# KiCad board PingDevKit-copy.kicad_pcb (continued)
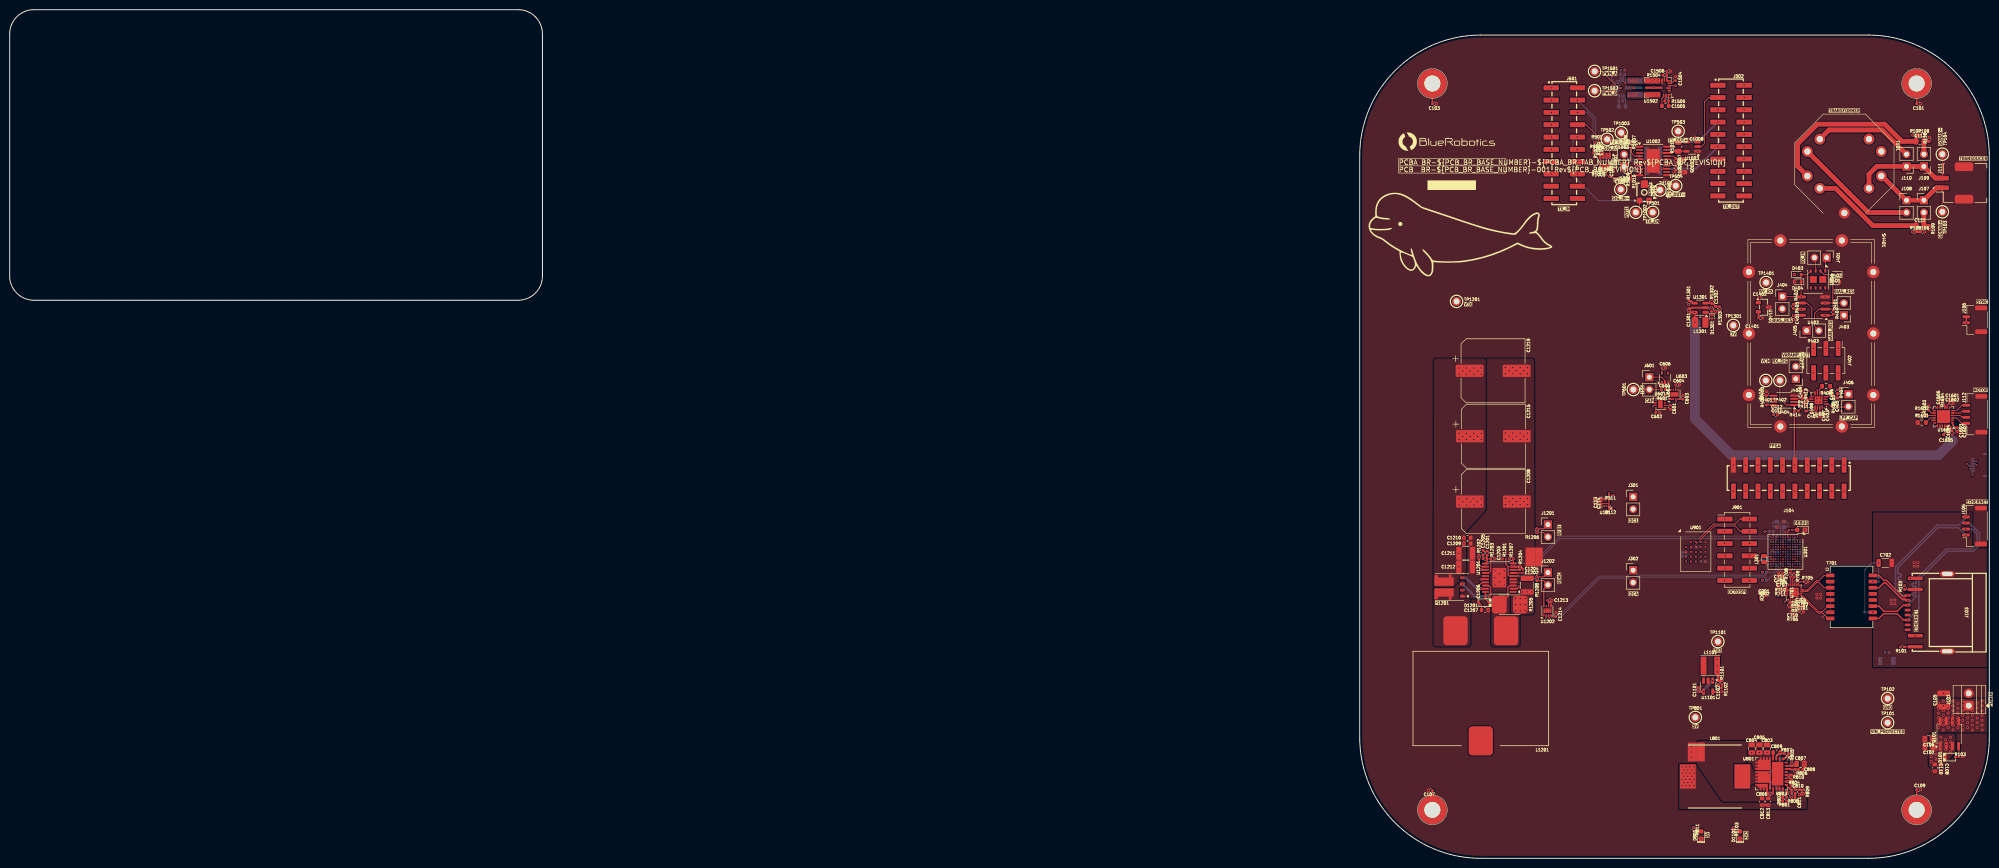
[diagram p0: board, top side]
## Placement (name value [footprint] x y rotation side) (continued)
TP320  TP_ROUND_TH_300um  [TP_ROUND_SMT_300um]  366.65 62.29 270 bottom
TP321  TP_ROUND_TH_300um  [TP_ROUND_SMT_300um]  366.65 63.29 270 bottom
TP322  TP_ROUND_TH_300um  [TP_ROUND_SMT_300um]  366.65 64.79 270 bottom
TP323  TP_ROUND_TH_300um  [TP_ROUND_SMT_300um]  366.65 65.79 270 bottom
TP324  TP_ROUND_TH_300um  [TP_ROUND_SMT_300um]  366.14 64.79 270 bottom
TP325  TP_ROUND_TH_300um  [TP_ROUND_SMT_300um]  365.65 63.79 90 bottom
TP326  TP_ROUND_TH_300um  [TP_ROUND_SMT_300um]  365.15 63.79 90 bottom
TP327  TP_ROUND_TH_300um  [TP_ROUND_SMT_300um]  366.15 63.29 270 bottom
TP328  TP_ROUND_TH_300um  [TP_ROUND_SMT_300um]  366.15 65.3 90 bottom
TP329  TP_ROUND_TH_300um  [TP_ROUND_SMT_300um]  369.15 64.29 90 bottom
TP330  TP_ROUND_TH_300um  [TP_ROUND_SMT_300um]  364.65 65.29 90 bottom
TP331  TP_ROUND_TH_300um  [TP_ROUND_SMT_300um]  365.15 64.79 270 bottom
TP332  TP_ROUND_TH_300um  [TP_ROUND_SMT_300um]  364.15 64.79 90 bottom
TP333  TP_ROUND_TH_300um  [TP_ROUND_SMT_300um]  365.65 64.29 270 bottom
TP334  TP_ROUND_TH_300um  [TP_ROUND_SMT_300um]  365.15 64.29 90 bottom
TP335  TP_ROUND_TH_300um  [TP_ROUND_SMT_300um]  367.15 60.29 90 bottom
TP336  TP_ROUND_TH_300um  [TP_ROUND_SMT_300um]  367.65 61.29 90 bottom
TP337  TP_ROUND_TH_300um  [TP_ROUND_SMT_300um]  368.14 60.79 90 bottom
TP338  TP_ROUND_TH_300um  [TP_ROUND_SMT_300um]  368.65 61.79 90 bottom
TP339  TP_ROUND_TH_300um  [TP_ROUND_SMT_300um]  363.65 63.79 270 bottom
TP340  TP_ROUND_TH_300um  [TP_ROUND_SMT_300um]  367.65 63.79 270 bottom
TP341  TP_ROUND_TH_300um  [TP_ROUND_SMT_300um]  367.15 64.29 270 bottom
TP342  TP_ROUND_TH_300um  [TP_ROUND_SMT_300um]  367.65 64.29 270 bottom
TP343  TP_ROUND_TH_300um  [TP_ROUND_SMT_300um]  365.15 62.29 90 bottom
TP344  TP_ROUND_TH_300um  [TP_ROUND_SMT_300um]  364.65 61.79 90 bottom
TP345  TP_ROUND_TH_300um  [TP_ROUND_SMT_300um]  365.15 61.29 90 bottom
TP346  TP_ROUND_TH_300um  [TP_ROUND_SMT_300um]  366.15 61.79 90 bottom
TP347  TP_ROUND_TH_300um  [TP_ROUND_SMT_300um]  365.65 65.79 90 bottom
TP348  TP_ROUND_TH_300um  [TP_ROUND_SMT_300um]  365.65 65.29 90 bottom
TP349  TP_ROUND_TH_300um  [TP_ROUND_SMT_300um]  364.65 64.29 90 bottom
TP350  TP_ROUND_TH_300um  [TP_ROUND_SMT_300um]  364.15 64.29 90 bottom
TP351  TP_ROUND_TH_300um  [TP_ROUND_SMT_300um]  367.15 60.79 90 bottom
TP352  TP_ROUND_TH_300um  [TP_ROUND_SMT_300um]  368.65 62.29 270 bottom
TP353  TP_ROUND_TH_300um  [TP_ROUND_SMT_300um]  369.15 62.29 270 bottom
TP354  TP_ROUND_TH_300um  [TP_ROUND_SMT_300um]  367.65 62.79 270 bottom
TP355  TP_ROUND_TH_300um  [TP_ROUND_SMT_300um]  368.65 62.79 270 bottom
TP356  TP_ROUND_TH_300um  [TP_ROUND_SMT_300um]  368.15 62.79 270 bottom
TP357  TP_ROUND_TH_300um  [TP_ROUND_SMT_300um]  366.15 61.29 270 bottom
TP358  TP_ROUND_TH_300um  [TP_ROUND_SMT_300um]  366.15 60.79 270 bottom
TP359  TP_ROUND_TH_300um  [TP_ROUND_SMT_300um]  368.65 65.29 270 bottom
TP360  TP_ROUND_TH_300um  [TP_ROUND_SMT_300um]  365.65 62.79 270 bottom
TP361  TP_ROUND_TH_300um  [TP_ROUND_SMT_300um]  363.65 62.79 270 bottom
TP362  TP_ROUND_TH_300um  [TP_ROUND_SMT_300um]  364.65 62.79 270 bottom
TP363  TP_ROUND_TH_300um  [TP_ROUND_SMT_300um]  364.15 62.79 270 bottom
TP364  TP_ROUND_TH_300um  [TP_ROUND_SMT_300um]  364.15 62.29 270 bottom
TP365  TP_ROUND_TH_300um  [TP_ROUND_SMT_300um]  366.15 64.3 90 bottom
TP401  VCM  [TEST-TH_BD2.54-P1.4_RED]  362.6 98.67 180 top
TP402  RX_SIG  [TEST-TH_BD2.54-P1.4_RED]  365.5 98.67 180 top
TP501  TX_EN  [TEST-TH_BD2.54-P1.4_RED]  339.25 133.39 0 top
TP502  TX_SIG_IN  [TEST-TH_BD2.54-P1.4_RED]  329.85 148.47 0 top
TP503  TX_OUT+  [TEST-TH_BD2.54-P1.4_RED]  344.5 150.14 0 top
TP504  TX_OUT-  [TEST-TH_BD2.54-P1.4_RED]  344 138.89 0 top
TP601  TGC  [TEST-TH_BD2.54-P1.4_RED]  335.25 96.8 90 top
TP801  5V  [TEST-TH_BD2.54-P1.4_RED]  348.05 29.1 0 top
TP1001  POT2  [TEST-TH_BD2.54-P1.4_RED]  340.75 138 270 top
TP1002  POT1  [TEST-TH_BD2.54-P1.4_RED]  335.75 133.39 270 top
TP1003  SIG_IN+  [TEST-TH_BD2.54-P1.4_RED]  332.75 149.84 0 top
TP1004  SIG_IN-  [TEST-TH_BD2.54-P1.4_RED]  332.65 138.14 0 top
TP1101  3V3  [TEST-TH_BD2.54-P1.4_RED]  352.7 44.75 0 top
TP1201  VTX  [TEST-TH_BD2.54-P1.4_RED]  298.75 115 0 top
TP1301  7V  [TEST-TH_BD2.54-P1.4_RED]  355.9 110.05 0 top
TP1401  5V_RX  [TEST-TH_BD2.54-P1.4_RED]  362.65 118.9 0 top
TP1501  PWM_A  [TEST-TH_BD2.54-P1.4_RED]  327.25 162.5 0 top
TP1502  PWM_B  [TEST-TH_BD2.54-P1.4_RED]  327.25 158.5 0 top
U101  LIS2DH12TR  [LGA-12_2x2mm_P1mm]  329.45 73.48 180 top
U301  STM32H563AII3Q  [UFBGA-169_7x7mm_Layout13x13_P0.5mm-minimized]  366.65 63.29 270 top
U401  MD0100DK6-G  [DFN-8-1EP_4x4mm_P1.0mm_EP1.45x3.4mm]  373.38 119.54 270 top
U402  OPA1612AIDR  [SOIC-8_3.9x4.9mm_P1.27mm]  372.38 114.04 180 top
U403  AD8338ACPZ-R7  [LFCSP-16-1EP_3x3mm_P0.5mm_EP1.6x1.6mm]  373.5 94.57 180 top
U404  WS72552M-8/TR  [MSOP-8_3x3mm_P0.65mm]  366.34 94.57 180 top
U601  DAC53401DSGR  [WSON-8-1EP_2x2mm_P0.5mm_EP0.9x1.6mm]  340.84 93.79 0 top
U602  DAC53401DSGR  [WSON-8-1EP_2x2mm_P0.5mm_EP0.9x1.6mm]  343.75 95.79 90 top
U603  74LVC1G66GW,125  [SOT-353_SC-70-5]  341.8 99.24 90 top
U701  DP83825IRMQR  [WQFN-24-3x3x0.8mm-DRV8311]  368.45 54.89 90 top
U801  MIC28517T-E/PHA  [QFN-32_x6mm_P0.65mm]  363.79 17.49 270 top
U901  S27KL0642DPBHB023  [BGA-24_6x8mm_Layout5x5_P1.0mm]  348.15 63.29 0 top
U1001  SL9062D  [SOT-23-8]  329.38 143.93 270 top
U1002  LT1794  [TSSOP-20_FE_6.4x6.4mm_EP4.95x2.74mm]  339.33 144.02 0 top
U1003  CSA230PASOT235  [SOT-23-5_mini]  347.38 146.97 180 top
U1101  TLV62569DBVR  [SOT-23-5_mini]  350.7 35.54 270 top
U1201  LM5122MHX/NOPB  [HTSSOP-20-1EP_4.4x6.5mm_P0.65mm_EP2.85x4mm]  307.59 57.95 180 top
U1202  DAC53401DSGR  [WSON-8-1EP_2x2mm_P0.5mm_EP0.9x1.6mm]  317.51 51.12 90 top
U1301  LM27313XMFX/NOPB  [SOT-23-5]  349.04 113.7 180 top
U1401  MG78L05T3  [SOT-23]  362.15 113.8 270 top
U1501  EPC23104ENGRT  [EPC23104]  334.47 159.12 0 bottom
U1502  EPC23104ENGRT  [EPC23104]  340.33 159.12 180 top
U1601  DRV8426RGER  [VQFN-24-1EP_4x4mm_P0.5mm_EP2.6x2.6mm-minimized]  399.3 91.2 180 top
X301  25MHz 8pF  [Crystal_SMD_2016-4Pin_2.0x1.6mm]  365.62 68.95 180 bottom

## Library data of the parts
C101 C103 C107 C109 C407 C412 C601 C604 C606 C902-C904 C1213 C1503 C1504 = -: Datasheet: https://search.murata.co.jp/Ceramy/image/img/A01X/G101/ENG/GCM155R71H104KE02-01.pdf; Description: 100nF 50V X7R 10% Ceramic Capacitor 0402 AEC-Q200; Manufacturer: Murata Electronics; Manufacturer Part Num: GCM155R71H104KE02D; BRE Number: BRE-000010; Supplier 1: DigiKey; Supplier Part Num 1: 490-10672-2-ND; Supplier 2: Mouser; Supplier Part Num 2: 81-GCM155R71H104KE2D; Supplier 3: JLCPCB; Supplier Part Num 3: C85858; JLCPCB Part Num: C85858; ki_fp_filters: C_*
C102 C106 C803-C805 = -: Datasheet: https://search.murata.co.jp/Ceramy/image/img/A01X/G101/ENG/GRM21BD72A225KE01-01A.pdf; Description: 2.2uF 100V X7T 10% Ceramic Capacitor 0805; Manufacturer: Murata Electronics; Manufacturer Part Num: GRM21BD72A225KE01L; BRE Number: BRE-001204; Supplier 1: DigiKey; Supplier Part Num 1: 490-GRM21BD72A225KE01LCT-ND; Supplier 2: Mouser; Supplier Part Num 2: 81-GRM21BD72A225KE1L; Supplier 3: JLCPCB; Supplier Part Num 3: C2981733; JLCPCB Part Num: C2981733
C104 C113 C201 C304 C306 C309 C311 C312 C314 C315 C317-C325 C1204 = -: Datasheet: https://www.lcsc.com/datasheet/lcsc_datasheet_2108070630_Murata-Electronics-GRM033R61E104KE14J_C2649540.pdf; Description: 100nF 25V X7R 10% Ceramic Capacitor 0201; Manufacturer: Murata Electronics; Manufacturer Part Num: GRM033R61E104KE14J; Supplier 1: DigiKey; Supplier Part Num 1: 490-14571-1-ND; Supplier 2: Mouser; Supplier Part Num 2: 81-GRM033R61E104KE4J; Supplier 3: JLCPCB; Supplier Part Num 3: C2649540; BRE Number: BRE-000000; ki_fp_filters: C_*
C105 C1202 = -: Datasheet: https://search.murata.co.jp/Ceramy/image/img/A01X/G101/ENG/GRM32EC72A106KE05-01.pdf; Description: 10uF 100V X7S 10% Ceramic Capacitor 1210; Manufacturer: Murata Electronics; Manufacturer Part Num: GRM32EC72A106KE05L; Supplier 1: DigiKey; Supplier Part Num 1: 490-16266-1-ND; Supplier 2: Mouser; Supplier Part Num 2: 81-GRM32EC72A106KE05; Supplier 3: JLCPCB; Supplier Part Num 3: C576517; BRE Number: BRE-000064; ki_fp_filters: C_*
C108 C110 = -: Datasheet: https://mm.digikey.com/Volume0/opasdata/d220001/medias/docus/2270/HMK107C7224KAHTE_SS.pdf; Description: 220nF 100V X7S 10% Ceramic Capacitor 0603; Manufacturer: Taiyo Yuden; Manufacturer Part Num: HMK107C7224KAHTE; BRE Number: BRE-001203; Package: 0603; Supplier 1: JLCPCB; Supplier Part Num 1: C2169715; JLCPCB Part Num: C2169715
C111 C112 = -: Datasheet: https://www.lcsc.com/datasheet/lcsc_datasheet_2006091815_YAGEO-CC0805KKX7R0BB474_C596323.pdf; Description: 470nF 100V X7R 10% Ceramic Capacitor 0805; Manufacturer: YAGEO; Manufacturer Part Num: CC0805KKX7R0BB474; BRE Number: BRE-000054; Supplier 1: DigiKey; Supplier Part Num 1: 13-CC0805KKX7R0BB474CT-ND; Supplier 2: Mouser; Supplier Part Num 2: 603-CC0805KX7R0BB474; Supplier 3: JLCPCB; Supplier Part Num 3: C596323; JLCPCB Part Num: C596323; ki_fp_filters: C_*
C114 = -: Datasheet: https://search.murata.co.jp/Ceramy/image/img/A01X/G101/ENG/GRM155R61H105KE05-01A.pdf; Description: 1uF 50V X5R 5% Ceramic Capacitor 0402; Manufacturer: Murata Electronics; Manufacturer Part Num: GRM155R61H105KE05D; Supplier 1: DigiKey; Supplier Part Num 1: 490-GRM155R61H105KE05DCT-ND; Supplier 2: Mouser; Supplier Part Num 2: 81-GRM155R61H105KE5D; Supplier 3: JLCPCB; Supplier Part Num 3: C1518208; BRE Number: BRE-000020; ki_fp_filters: C_*
C301 = -: Datasheet: https://mm.digikey.com/Volume0/opasdata/d220001/medias/docus/2614/CL05A106MP5NUNC_Spec.pdf; Description: 10uF 10V X5R 20% Ceramic Capacitor 0402; Manufacturer: Samsung Electro-Mechanics; Manufacturer Part Num: CL05A106MP5NUNC; BRE Number: BRE-000015; Supplier 1: DigiKey; Supplier 2: Mouser; Supplier 3: JLCPCB; Supplier Part Num 1: 1276-1450-6-ND; Supplier Part Num 2: 187-CL05A106MP5NUNC; Supplier Part Num 3: C315248; ki_fp_filters: C_*
C302 C307 = -: Datasheet: https://search.murata.co.jp/Ceramy/image/img/A01X/G101/ENG/GRM0335C1H6R0BA01-01.pdf; Description: 6pF 50V C0G 15% Ceramic Capacitor 0201; Manufacturer: Murata Electronics; Manufacturer Part Num: GRM0335C1H6R0BA01D; Supplier 1: DigiKey; Supplier Part Num 1: 490-11339-1-ND; Supplier 2: Mouser; Supplier Part Num 2: 81-GRM0335C1H6R0BA1D; Supplier 3: JLCPCB; Supplier Part Num 3: C161434; BRE Number: BRE-000009; ki_fp_filters: C_*
C303 C313 = -: Datasheet: https://mm.digikey.com/Volume0/opasdata/d220001/medias/docus/2614/CL05A106MP5NUNC_Spec.pdf; Description: 10uF 10V X5R 20% Ceramic Capacitor 0402; Manufacturer: Samsung Electro-Mechanics; Manufacturer Part Num: CL05A106MP5NUNC; Supplier 1: DigiKey; Supplier Part Num 1: 1276-1450-6-ND; Supplier 2: Mouser; Supplier Part Num 2: 187-CL05A106MP5NUNC; Supplier 3: JLCPCB; Supplier Part Num 3: C315248; BRE Number: BRE-000015; ki_fp_filters: C_*
C305 C308 C310 = -: Datasheet: https://www.murata.com/en-us/api/pdfdownloadapi?cate=luCeramicCapacitorsSMD&partno=GRM035R60J475ME15%23; Description: 4.7uF 6.3V X5R 20% Ceramic Capacitor 0201; Manufacturer: Murata Electronics; Manufacturer Part Num: GRM035R60J475ME15D; BRE Number: BRE-001205; Supplier 1: DigiKey; Supplier Part Num 1: 490-13230-1-ND; Supplier 2: Mouser; Supplier Part Num 2: 81-GRM035R60J475ME5D; Supplier 3: JLCPCB; Supplier Part Num 3: C335103; ki_fp_filters: C_*
C316 = -: Datasheet: https://wmsc.lcsc.com/wmsc/upload/file/pdf/v2/lcsc/1811081531_Murata-Electronics-GRM0335C1E101JA01D_C76917.pdf; Description: 100pF 50V C0G 5% Ceramic Capacitor 0201; Manufacturer: Murata; Manufacturer Part Num: GRM0335C1E101JA01D; BRE Number: BRE-001077; Supplier 1: JLCPCB; Supplier Part Num 1: C161418; ki_fp_filters: C_*
C401 C810 C1003 C1004 C1006 C1007 = -: Datasheet: https://www.lcsc.com/datasheet/lcsc_datasheet_2410010301_Murata-Electronics-GRM155R62A104ME14D_C162179.pdf; Description: 100nF 100V X5R 20% Ceramic Capacitor 0402; Manufacturer: Murata; Manufacturer Part Num: GRM155R62A104ME14D; BRE Number: BRE-001025; JLCPCB Part Num: C162178; ki_fp_filters: C_*
C402 = -: Datasheet: https://jlcpcb.com/api/file/downloadByFileSystemAccessId/8588946632188022784; Description: 200pF 50V C0G 5% Ceramic Capacitor 0402; Manufacturer: YAGEO; Manufacturer Part Num: CC0402JRNPO9BN201; BRE Number: BRE-001222; JLCPCB Part Num: C325462; ki_fp_filters: C_*
C403 C411 C703 C709 C710 C901 C1501 C1506 C1606 = -: Datasheet: https://search.murata.co.jp/Ceramy/image/img/A01X/G101/ENG/GRM155Z71A105KE01-01.pdf; Description: 1uF 10V X7R 10% Ceramic Capacitor 0402; Manufacturer: Murata Electronics; Manufacturer Part Num: GRM155Z71A105KE01D; BRE Number: BRE-000019; Supplier 1: DigiKey; Supplier Part Num 1: 490-GRM155Z71A105KE01DDKR-ND; Supplier 2: Mouser; Supplier Part Num 2: 81-GRM155Z71A105KE1D; Supplier 3: JLCPCB; Supplier Part Num 3: C528974; JLCPCB Part Num: C528974; ki_fp_filters: C_*
C404 = -: Datasheet: https://www.lcsc.com/datasheet/lcsc_datasheet_1811081613_Murata-Electronics-GRM155R71H223KA12D_C77023.pdf; Description: 47nF 50V X7R 10% Ceramic Capacitor 0402; Manufacturer: Murata Electronics; Manufacturer Part Num: GRM155R71H473KE14D; BRE Number: BRE-000030; Supplier 1: DigiKey; Supplier Part Num 1: 490-10702-6-ND; Supplier 2: Mouser; Supplier Part Num 2: 81-GRM155R71H473KE4D; Supplier 3: JLCPCB; Supplier Part Num 3: C117757; JLCPCB Part Num: C117757; ki_fp_filters: C_*
C405 C406 = -: Datasheet: https://jlcpcb.com/api/file/downloadByFileSystemAccessId/8588898990716411904; Description: 15nF 50V X7R 10% Ceramic Capacitor 0402; Manufacturer: YAGEO; Manufacturer Part Num: CC0402KRX7R9BB153; BRE Number: BRE-001221; Supplier 1: DigiKey; Supplier Part Num 1: 490-GRM155Z71A105KE01DDKR-ND; ki_fp_filters: C_*
C408 C409 = -: Datasheet: https://www.lcsc.com/datasheet/lcsc_datasheet_2304140030_YAGEO-CC0402BRNPO9BN3R9_C505474.pdf; Description: 3.9pF 50V C0G 3% Ceramic Capacitor 0402; Manufacturer: YAGEO; Manufacturer Part Num: CC0402BRNPO9BN3R9; BRE Number: BRE-000027; Supplier 1: DigiKey; Supplier Part Num 1: 311-1622-1-ND; Supplier 2: Mouser; Supplier Part Num 2: 603-CC402BRNPO9BN3R9; Supplier 3: JLCPCB; Supplier Part Num 3: C505474; JLCPCB Part Num: C505474; ki_fp_filters: C_*
C410 = -: Datasheet: https://www.mouser.com/datasheet/2/281/1/GRM033R61C105ME15_01A-1981906.pdf; Description: 1uF 16V X5R 10% Ceramic Capacitor 0201; Manufacturer: Murata Electronics; Manufacturer Part Num: GRM033R61C105ME15D; BRE Number: BRE-000003; Supplier 1: DigiKey; Supplier Part Num 1: 490-18654-1-ND; Supplier 2: Mouser; Supplier Part Num 2: 81-GRM033R61C105ME5D; Supplier 3: JLCPCB; Supplier Part Num 3: C335102; JLCPCB Part Num: C335102; ki_fp_filters: C_*
C602 C603 C806 C1214 = -: Datasheet: https://search.murata.co.jp/Ceramy/image/img/A01X/G101/ENG/GRM155D71A475ME15-01A.pdf; Description: 4.7uF 10V X7T 20% Ceramic Capacitor 0402; Manufacturer: Murata Electronics; Manufacturer Part Num: GRM155D71A475ME15J; BRE Number: BRE-000033; Supplier 1: DigiKey; Supplier Part Num 1: 490-GRM155D71A475ME15JTR-ND; Supplier 2: Mouser; Supplier Part Num 2: 81-GRM155D71A475ME5J; Supplier 3: JLCPCB; Supplier Part Num 3: C20044523; JLCPCB Part Num: C20044523; ki_fp_filters: C_*
C605 C1401 = -: Datasheet: https://lcsc.com/datasheet/lcsc_datasheet_2411220213_FH--Guangdong-Fenghua-Advanced-Tech-0402B334K160NT_C301942.pdf; Description: 330nF 16V X7R 10% Ceramic Capacitor 0402; Manufacturer: FH; Manufacturer Part Num: 0402B334K160NT; BRE Number: BRE-001238; JLCPCB Part Num: C301942; ki_fp_filters: C_*
C701 C711 C1303 = -: Datasheet: https://mm.digikey.com/Volume0/opasdata/d220001/medias/docus/2614/CL05A106MP5NUNC_Spec.pdf; Description: 10uF 10V X5R 20% Ceramic Capacitor 0402; Manufacturer: Samsung Electro-Mechanics; Manufacturer Part Num: CL05A106MP5NUNC; BRE Number: BRE-000015; Supplier 1: DigiKey; Supplier 2: Mouser; Supplier 3: JLCPCB; Supplier Part Num 1: 1276-1450-6-ND; Supplier Part Num 2: 187-CL05A106MP5NUNC; Supplier Part Num 3: C315248; JLCPCB Part Num: C315248; ki_fp_filters: C_*
C702 C712 = -: Datasheet: https://www.lcsc.com/datasheet/lcsc_datasheet_2304140030_YAGEO-CC1206KKX7RDBB102_C23631.pdf; Description: 1nF 2kV X7R 10% Ceramic Capacitor 1206; Manufacturer: YAGEO; Manufacturer Part Num: CC1206KKX7RDBB102; BRE Number: BRE-000060; Supplier 1: DigiKey; Supplier Part Num 1: 311-1487-1-ND; Supplier 2: Mouser; Supplier Part Num 2: 603-CC206KKX7RDBB102; Supplier 3: JLCPCB; Supplier Part Num 3: C23631; JLCPCB Part Num: C23631; ki_fp_filters: C_*
C704 C707 C708 C1001 C1002 C1008 C1402 = -: Datasheet: https://www.lcsc.com/datasheet/lcsc_datasheet_2108070630_Murata-Electronics-GRM033R61E104KE14J_C2649540.pdf; Description: 100nF 25V X5R 10% Ceramic Capacitor 0201; Manufacturer: Murata Electronics; Manufacturer Part Num: GRM033R61E104KE14J; BRE Number: BRE-000000; Supplier 1: DigiKey; Supplier Part Num 1: 490-14571-1-ND; Supplier 2: Mouser; Supplier Part Num 2: 81-GRM033R61E104KE4J; Supplier 3: JLCPCB; Supplier Part Num 3: C2649540; JLCPCB Part Num: C76939; ki_fp_filters: C_*
C705 C706 = -: Datasheet: https://search.murata.co.jp/Ceramy/image/img/A01X/G101/ENG/GRM033R71E103KE14-01.pdf; Description: 10nF 25V X7R 10% Ceramic Capacitor 0201; Manufacturer: Murata Electronics; Manufacturer Part Num: GRM033R71E103KE14D; BRE Number: BRE-000001; Supplier 1: DigiKey; Supplier Part Num 1: 490-14454-2-ND; Supplier 2: Mouser; Supplier Part Num 2: 81-GRM0335C1E12FA1D; Supplier 3: JLCPCB; Supplier Part Num 3: C85930; JLCPCB Part Num: C85930; ki_fp_filters: C_*
C807 = -: Datasheet: https://search.murata.co.jp/Ceramy/image/img/A01X/G101/ENG/GRM21BC72A105KE01-01.pdf; Description: 1uF 100V X7S 10% Ceramic Capacitor 0805; Manufacturer: Murata Electronics; Manufacturer Part Num: GRM21BC72A105KE01L; BRE Number: BRE-000049; Supplier 1: DigiKey; Supplier Part Num 1: 490-14464-1-ND; Supplier 2: Mouser; Supplier Part Num 2: 81-GRM21BC72A105KE1L; Supplier 3: JLCPCB; Supplier Part Num 3: C385039; JLCPCB Part Num: C385039
C808 C1301 C1601 C1607 = -: Datasheet: https://search.murata.co.jp/Ceramy/image/img/A01X/G101/ENG/GRM155Z71A225KE01-01.pdf; Description: 2.2uF 10V X7R 10% Ceramic Capacitor 0402; Manufacturer: Murata Electronics; Manufacturer Part Num: GRM155Z71A225KE01D; BRE Number: BRE-000024; Supplier 1: DigiKey; Supplier Part Num 1: 490-GRM155Z71A225KE01DCT-ND; Supplier 2: Mouser; Supplier Part Num 2: 81-GRM155Z71A225KE1D; Supplier 3: JLCPCB; Supplier Part Num 3: C2997286; JLCPCB Part Num: C2997286; ki_fp_filters: C_*
C809 C1502 C1505 = -: Datasheet: https://www.murata.com/-/media/webrenewal/support/library/catalog/products/k35e.ashx?la=en-us&cvid=20200508021757000000; Description: 100nF 100V X7R 10% Ceramic Capacitor 0603 AEC-Q200; Manufacturer: Murata Electronics; Manufacturer Part Num: GCJ188R72A104KA01D; BRE Number: BRE-000034; Supplier 1: DigiKey; Supplier Part Num 1: 490-13420-1-ND; Supplier 2: Mouser; Supplier Part Num 2: 81-GCJ188R72A104KA1D; Supplier 3: JLCPCB; Supplier Part Num 3: C161117; JLCPCB Part Num: C161117
C811 = -: Datasheet: https://www.lcsc.com/datasheet/lcsc_datasheet_2304140030_Murata-Electronics-GRM155R72A472KA01D_C415704.pdf; Description: 4.7nF 100V X7R 10% Ceramic Capacitor 0402; Manufacturer: Murata Electronics; Manufacturer Part Num: GRM155R72A472KA01D; BRE Number: BRE-000032; Supplier 1: DigiKey; Supplier Part Num 1: 490-3885-1-ND; Supplier 2: Mouser; Supplier Part Num 2: 81-GRM155R72A472KA01; Supplier 3: JLCPCB; Supplier Part Num 3: C415704; JLCPCB Part Num: C415704; ki_fp_filters: C_*
C812 C813 = -: Datasheet: https://search.murata.co.jp/Ceramy/image/img/A01X/G101/ENG/GRM188D71A106KA73-01.pdf; Description: 10uF 10V X7T 10% Ceramic Capacitor 0603; Manufacturer: Murata Electronics; Manufacturer Part Num: GRM188D71A106KA73D; BRE Number: BRE-000035; Supplier 1: DigiKey; Supplier Part Num 1: 490-14461-1-ND; Supplier 2: Mouser; Supplier Part Num 2: 81-GRM188D71A106KA3D; Supplier 3: JLCPCB; Supplier Part Num 3: C385037; JLCPCB Part Num: C385037; ki_fp_filters: C_*
C1005 = -: Datasheet: https://www.lcsc.com/datasheet/lcsc_datasheet_2410121857_Murata-Electronics-GRM31CC72A475KE11L_C237304.pdf; Description: 4.7uF 100V X7S 10% Ceramic Capacitor 1206; Manufacturer: Murata; Manufacturer Part Num: GRM31CC72A475KE11L; BRE Number: BRE-001089; JLCPCB Part Num: C237304; ki_fp_filters: C_*
C1101 C1102 = -: Datasheet: https://mm.digikey.com/Volume0/opasdata/d220001/medias/docus/2614/CL05A106MP5NUNC_Spec.pdf; Description: 10uF 10V X5R 20% Ceramic Capacitor 0402; Manufacturer: Samsung Electro-Mechanics; Manufacturer Part Num: CL05A106MP5NUNC; Supplier 1: DigiKey; Supplier 2: Mouser; Supplier 3: JLCPCB; Supplier Part Num 1: 1276-1450-6-ND; Supplier Part Num 2: 187-CL05A106MP5NUNC; Supplier Part Num 3: C315248; BRE Number: BRE-000015; ki_fp_filters: C_*
C1201 = -: Datasheet: https://www.yageo.com/upload/media/product/productsearch/datasheet/mlcc/UPY-GPHC_X7R_6.3V-to-250V_23.pdf; Description: 10nF 50V X7R 10% Ceramic Capacitor 0402; Manufacturer: YAGEO; Manufacturer Part Num: CC0402KRX7R9BB103; Supplier 1: DigiKey; Supplier Part Num 1: 311-1349-1-ND; Supplier 2: Mouser; Supplier Part Num 2: 603-CC402KRX7R9BB103; Supplier 3: JLCPCB; Supplier Part Num 3: C60133; BRE Number: BRE-000013; ki_fp_filters: C_*
C1203 = -: Datasheet: https://www.lcsc.com/datasheet/lcsc_datasheet_2407101354_Murata-Electronics-GRM155R71C474KE01D_C471404.pdf; Description: 470nF 16V X7R 10% Ceramic Capacitor 0402; Manufacturer: Murata Electronics; Manufacturer Part Num: GRM155R71C474KE01D; Supplier 1: DigiKey; Supplier 2: Mouser; Supplier 3: JLCPCB; Supplier Part Num 3: C471404; BRE Number: BRE-000028
C1205 = -: Datasheet: https://www.lcsc.com/datasheet/lcsc_datasheet_1811081613_Murata-Electronics-GRM155R71H223KA12D_C77023.pdf; Description: 22nF 50V X7R 10% Ceramic Capacitor 0402; Manufacturer: Murata Electronics; Manufacturer Part Num: GRM155R71H223KA12D; Supplier 1: DigiKey; Supplier Part Num 1: 490-3884-1-ND; Supplier 2: Mouser; Supplier Part Num 2: 81-GRM155R71H223KA12; Supplier 3: JLCPCB; Supplier Part Num 3: C77023; BRE Number: BRE-000022
C1206 = -: Datasheet: https://search.murata.co.jp/Ceramy/image/img/A01X/G101/ENG/GRM155R61H105KE05-01A.pdf; Description: 1uF 50V X5R 10% Ceramic Capacitor 0402; Manufacturer: Murata Electronics; Manufacturer Part Num: GRM155R61H105KE05D; Supplier 1: DigiKey; Supplier Part Num 1: 490-GRM155R61H105KE05DCT-ND; Supplier 2: Mouser; Supplier Part Num 2: 81-GRM155R61H105KE5D; Supplier 3: JLCPCB; Supplier Part Num 3: C1518208; BRE Number: BRE-000020; JLCPCB Part Num: C1518208; ki_fp_filters: C_*
C1207 = -: Datasheet: https://search.murata.co.jp/Ceramy/image/img/A01X/G101/ENG/GRT188R61C106KE13-01.pdf; Description: 10uF 16V X5R 10% Ceramic Capacitor 0603 AEC-Q200; Manufacturer: Murata Electronics; Manufacturer Part Num: GRT188R61C106KE13J; Supplier 1: DigiKey; Supplier Part Num 1: 490-GRT188R61C106KE13JCT-ND; Supplier 2: Mouser; Supplier Part Num 2: 81-GRT188R61C106KE3J; Supplier 3: JLCPCB; Supplier Part Num 3: C3888097; BRE Number: BRE-000036
C1208 C1215-C1219 = -: Datasheet: https://mm.digikey.com/Volume0/opasdata/d220001/medias/docus/6020/VMML1652A221MV.pdf; Description: 220uF 100V 20% Electrolytic Capacitor SMD; Manufacturer: Ymin; Manufacturer Part Num: VMML1652A221MV; BRE Number: BRE-001283; Supplier 1: DigiKey; Supplier Part Num 1: 5011-VMML1652A221MVCT-ND; Supplier 2: Mouser; Supplier 3: JLCPCB; Supplier Part Num 3: C487184; JLCPCB Part Num: C487184; ki_fp_filters: C_*
C1209 C1210 = -: Datasheet: https://www.murata.com/-/media/webrenewal/support/library/catalog/products/k35e.ashx?la=en-us&cvid=20200508021757000000; Description: 100nF 100V X7R 10% Ceramic Capacitor 0603 AEC-Q200; Manufacturer: Murata Electronics; Manufacturer Part Num: GCJ188R72A104KA01D; Supplier 1: DigiKey; Supplier Part Num 1: 490-13420-1-ND; Supplier 2: Mouser; Supplier Part Num 2: 81-GCJ188R72A104KA1D; Supplier 3: JLCPCB; Supplier Part Num 3: C161117; BRE Number: BRE-000034; JLCPCB Part Num: C161117
C1211 C1212 = -: Datasheet: https://search.murata.co.jp/Ceramy/image/img/A01X/G101/ENG/GRM32EC72A106KE05-01.pdf; Description: 10uF 100V X7S 10% Ceramic Capacitor 1210; Manufacturer: Murata Electronics; Manufacturer Part Num: GRM32EC72A106KE05L; Supplier 1: DigiKey; Supplier Part Num 1: 490-16266-1-ND; Supplier 2: Mouser; Supplier Part Num 2: 81-GRM32EC72A106KE05; Supplier 3: JLCPCB; Supplier Part Num 3: C576517; BRE Number: BRE-000064; JLCPCB Part Num: C576517; ki_fp_filters: C_*
C1302 = -: Datasheet: https://lcsc.com/datasheet/lcsc_datasheet_2506131730_YAGEO-CC0402JRNPO9BN331_C107006.pdf; Description: 330pF 50V C0G 5%Ceramic Capacitor 0402; Manufacturer: YAGEO; Manufacturer Part Num: CC0402JRNPO9BN331; BRE Number: BRE-001236; JLCPCB Part Num: C107006; ki_fp_filters: C_*
C1602 C1603 = -: Datasheet: https://www.yageo.com/upload/media/product/productsearch/datasheet/mlcc/UPY-GPHC_X7R_6.3V-to-250V_23.pdf; Description: 10nF 50V X7R 10% Ceramic Capacitor 0402; Manufacturer: YAGEO; Manufacturer Part Num: CC0402KRX7R9BB103; BRE Number: BRE-000013; Supplier 1: DigiKey; Supplier Part Num 1: 311-1349-1-ND; Supplier 2: Mouser; Supplier Part Num 2: 603-CC402KRX7R9BB103; Supplier 3: JLCPCB; Supplier Part Num 3: C60133; JLCPCB Part Num: C60133; ki_fp_filters: C_*
C1604 = -: Datasheet: https://wmsc.lcsc.com/wmsc/upload/file/pdf/v2/lcsc/2304140030_CCTC-TCC0402X7R224K250AT_C915854.pdf; Description: 220nF 25V X7R 10% Ceramic Capacitor 0402; Manufacturer: CCTC; Manufacturer Part Num: TCC0402X7R224K250AT; BRE Number: BRE-001037; JLCPCB Part Num: C915854; ki_fp_filters: C_*
C1605 = -: Datasheet: https://www.lcsc.com/datasheet/lcsc_datasheet_1811081613_Murata-Electronics-GRM155R71H223KA12D_C77023.pdf; Description: 22nF 50V X7R 10% Ceramic Capacitor 0402; Manufacturer: Murata Electronics; Manufacturer Part Num: GRM155R71H223KA12D; BRE Number: BRE-000022; Supplier 1: DigiKey; Supplier Part Num 1: 490-3884-1-ND; Supplier 2: Mouser; Supplier Part Num 2: 81-GRM155R71H223KA12; Supplier 3: JLCPCB; Supplier Part Num 3: C77023; JLCPCB Part Num: C77023
D101 = -: Datasheet: https://mm.digikey.com/Volume0/opasdata/d220001/medias/docus/9/MM3ZyyyT1G_SZMM3ZyyyT1G_Series_rev.11_Sep2014.pdf; Description: Zener Diode 10V Reverse 300 mW SOD-323; Manufacturer: onsemi; Manufacturer Part Num: MM3Z10VT1G; Supplier 1: DigiKey; Supplier Part Num 1: MM3Z10VT1GOSCT-ND; Supplier 2: Mouser; Supplier Part Num 2: 863-MM3Z10VT1G; Supplier 3: JLCPCB; Supplier Part Num 3: C894520; BRE Number: BRE-000131; ki_fp_filters: TO-???* *_Diode_* *SingleDiode* D_*
D301 = -: Datasheet: https://datasheet.lcsc.com/lcsc/1811092313_Orient-ORH-G36G_C205443.pdf; Description: Green 525nm LED Indicator 2.8V 30mA max SMT 0603; Manufacturer: Orient; Manufacturer Part Num: ORH-G36G; Supplier 3: JLCPCB; Supplier Part Num 3: C205443; BRE Number: BRE-000251
D401-D404 = -: Datasheet: https://www.onsemi.com/pdf/datasheet/rb520s30t1-d.pdf; Description: Schottky Diode 30V 200mA SOD-523; Manufacturer: onsemi; Manufacturer Part Num: RB520S30T5G; BRE Number: BRE-000122; Supplier 1: DigiKey; Supplier Part Num 1: RB520S30T5GOSCT-ND; Supplier 2: Mouser; Supplier Part Num 2: 863-RB520S30T5G; Supplier 3: JLCPCB; Supplier Part Num 3: C511880; JLCPCB Part Num: C511880; ki_fp_filters: TO-???* *_Diode_* *SingleDiode* D_*
D801 D1101 = -: Datasheet: https://optoelectronics.liteon.com/upload/download/DS22-2000-228/LTST-C191KGKT.PDF; Description: Green 571nm LED Indicator 2V 30mA max SMT 0603; Label: LABEL; Manufacturer: Lite-On Inc.; Manufacturer Part Num: LTST-C191KGKT; BRE Number: BRE-000246; Supplier 1: DigiKey; Supplier Part Num 1: 160-1446-1-ND; Supplier 2: DigiKey; Supplier Part Num 2: 160-1446-2-ND; Supplier 3: JLCPCB; Supplier Part Num 3: C125098; JLCPCB Part Num: C125098
D1201 = -: Datasheet: https://www.onsemi.com/pdf/datasheet/bas20ht1-d.pdf; Description: Diode 200V 200mA SOD-323; Manufacturer: On Semi; Manufacturer Part Num: BAS20HT1G; Supplier 1: DigiKey; Supplier Part Num 1: 1727-6173-2-ND; Supplier 2: Mouser; Supplier Part Num 2: 771-BAS21H115; Supplier 3: JLCPCB; Supplier Part Num 3: C128819; BRE Number: BRE-001023
D1301 = -: Datasheet: https://assets.nexperia.com/documents/data-sheet/PMEG3010AESB.pdf; Description: Schottky Diode 30V 1A SOD-993; Manufacturer: Nexperia; Manufacturer Part Num: PMEG3010AESBYL; BRE Number: BRE-000120; Supplier 1: DigiKey; Supplier Part Num 1: 1727-2401-2-ND; Supplier 2: Mouser; Supplier Part Num 2: 771-PMEG3010AESBYL; Supplier 3: JLCPCB; Supplier Part Num 3: C28646369; JLCPCB Part Num: C28646369; ki_fp_filters: TO-???* *_Diode_* *SingleDiode* D_*
GL102 = -: Datasheet: https://jlcpcb.com/help/article/How-to-remove-order-number-from-your-PCB; Description: Footprint for JLC's batch number marking system
